# Allegro board LAY-95869_A.brd (continued)
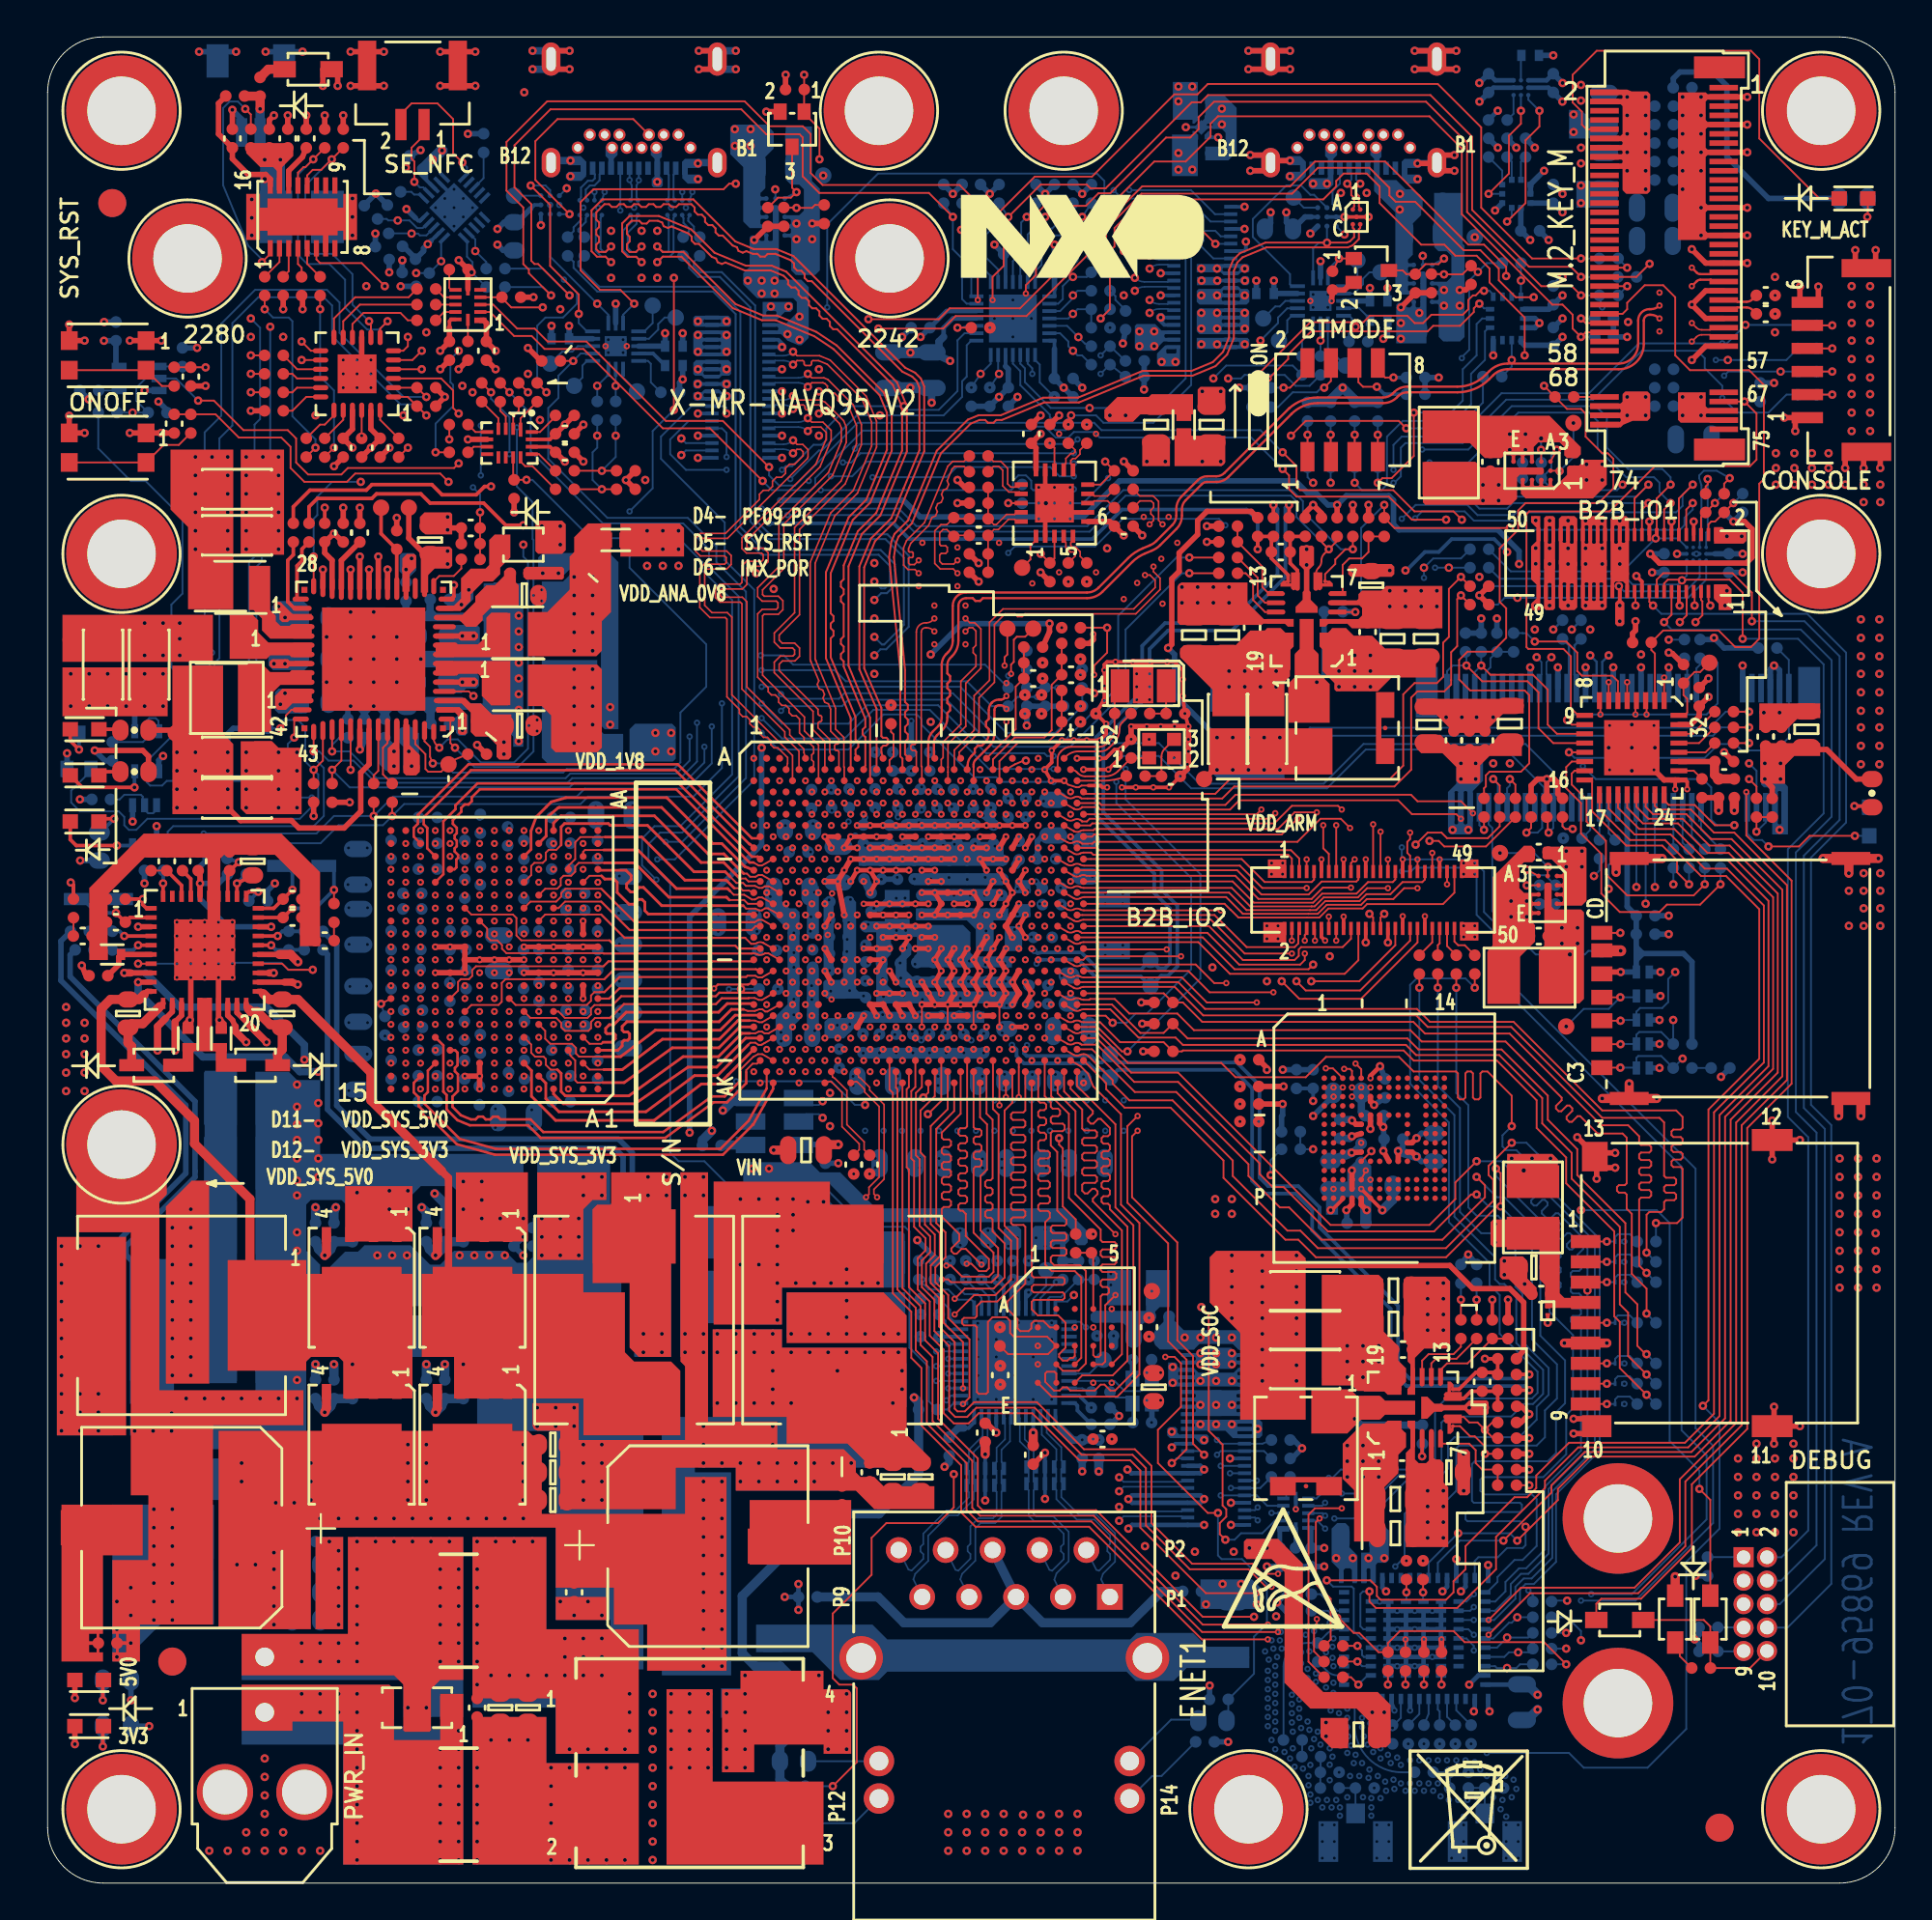
[diagram p0: board, top side]
## Placement (name value [footprint] x y rotation side) (continued)
R50  10K  [RC0402_25]  58.25 76.5 180 top
R51  0 OHM  [RC0402_25]  50.4 76.45 180 top
R52  243  [RC0402_25]  50.4 75.6 0 top
R53  10K  [RC0402_25]  25.25 75.5 90 top
R54  0 OHM  [RC0402_25]  28 75.5 180 top
R55  0 OHM  [RC0402_25]  58.25 75.5 0 top
R56  63.4  [RC0402_25]  50.4 74.75 180 top
R57  0 OHM  [RC0402_25]  58.25 74.5 0 top
R58  5.1K  [RC0402_25]  63.9 73.5 180 top
R59  1.0K  [RC0402_25]  68.07 73.46 90 top
R60  100  [RC0402_25]  49.05 73.45 270 top
R61  1.0K  [RC0402_25]  65.5 73.45 90 top
R62  0 OHM  [RC0402_25]  66.35 73.45 90 top
R63  0 OHM  [RC0402_25]  67.2 73.45 90 top
R64  100k  [RC0402_25]  68.95 73.45 90 top
R65  10K  [RC0402_25]  69.8 73.45 270 top
R66  10K  [RC0402_25]  70.65 73.45 270 top
R67  5.1K  [RC0402_25]  71.5 73.45 90 top
R68  0 OHM  [RC0402_25]  72.35 73.45 270 top
R69  0 OHM  [RC0402_25]  13.3 73.15 270 top
R70  0 OHM  [RC0402_25]  14.15 73.15 270 top
R71  100k  [RC0402_25]  15 73.15 90 top
R72  100k  [RC0402_25]  18.9 72.75 270 top
R73  0 OHM  [RC0402_25]  63.9 72.65 0 top
R74  1.0K  [RC0402_25]  22.9 72.55 180 top
R75  63.4  [RC0402_25]  50.4 72 180 top
R76  0 OHM  [RC0402_25]  63.9 71.8 0 top
R77  0 OHM  [RC0402_25]  22.9 71.7 180 top
R78  243  [RC0402_25]  50.4 71 0 top
R79  10K  [RC0402_25]  54.25 71 90 top
R80  0 OHM  [RC0402_25]  55.25 71 270 top
R81  0 OHM  [RC0402_25]  56.25 71 270 top
R82  0 OHM  [RC0402_25]  25.55 70.95 0 top
R83  0 OHM  [RC0402_25]  63.9 70.95 0 top
R84  100k  [RC0402_25]  55.4 68 180 top
R85  3K  [RC0402_25]  55.4 67.15 180 top
R86  63.4K  [RC0402_25]  53.35 66.95 180 top
R87  10K  [RC0402_25]  86.3 67.2 0 top
R88  1K  [RC0402_25]  55.4 66.3 0 top
R89  1K  [RC0402_25]  53.35 66.1 0 top
R90  10K  [RC0402_25]  88.55 65.5 270 top
R91  1K  [RC0402_25]  55.4 64.6 180 top
R92  100k  [RC0402_25]  52.9 63.85 90 top
R93  100k  [RC0402_25]  53.8 63.85 90 top
R94  1K  [RC0402_25]  55.4 63.75 0 top
R95  0 OHM  [RC0402_25]  90.75 63.45 180 top
R96  0 OHM  [RC0402_25]  59.15 63.35 0 top
R97  200  [RC0402_25]  45.65 63.3 90 top
R98  0 OHM  [RC0402_25]  90.75 62.6 180 top
R99  0 OHM  [RC0402_25]  90.75 61.75 180 top
R100  10K  [RC0402_25]  23.25 61.15 180 top
R101  0 OHM  [RC0402_25]  58.9 59.96 0 top
R102  0 OHM  [RC0402_25]  89.55 59.3 90 top
R103  0 OHM  [RC0402_25]  90.45 59.3 90 top
R104  0 OHM  [RC0402_25]  91.3 59.3 90 top
R105  2.2K  [RC0402_25]  31.3 75.5 180 top
R106  390  [RC0603_OV]  98.75 59.04 270 top
R107  10K  [RC0402_25]  14.4 59.05 90 top
R108  10K  [RC0402_25]  15.4 59.05 90 top
R109  0 OHM  [RC0402_25]  17.65 59.05 90 top
R110  0 OHM  [RC0402_25]  18.65 59.05 90 top
R111  2.2K  [RC0402_25]  76.5 33 270 bottom
R112  2.2K  [RC0402_25]  77.5 69.25 180 top
R113  0 OHM  [RC0402_25]  77.75 58.25 90 top
R114  0 OHM  [RC0402_25]  78.6 58.25 270 top
R115  0 OHM  [RC0402_25]  79.45 58.25 270 top
R116  10K  [RC0402_25]  80.3 58.25 270 top
R117  10K  [RC0402_25]  81.15 58.25 270 top
R118  10K  [RC0402_25]  82 58.25 270 top
R119  0 OHM  [RC0402_25]  92.5 58.25 270 top
R120  10K  [RC0402_25]  93.35 58.25 270 top
R121  2.2K  [RC0402_25]  31.3 76.5 180 top
R122  2.2K  [RC0402_25]  77.35 33 270 bottom
R123  2.2K  [RC0402_25]  77.5 70.25 180 top
R124  0 OHM  [RC0402_25]  5.6 55.35 90 top
R125  14.7K  [RC0402_25]  7.3 55.35 90 top
R126  0 OHM  [RC0402_25]  9.85 55.35 90 top
R127  23.7K  [RC0402_25]  1.4 52.8 270 top
R128  15.4K  [RC0402_25]  15.5 52.55 270 top
R129  0 OHM  [RC0402_25]  74.25 49.75 270 top
R130  0 OHM  [RC0402_25]  75.25 49.75 270 top
R131  0 OHM  [RC0402_25]  76.25 49.75 270 top
R132  0 OHM  [RC0402_25]  77.25 49.75 270 top
R133  2.2K  [RC0402_25]  58.85 82.45 180 bottom
R134  1  [RC0402_25]  2.75 49.15 180 top
R135  2.2K  [RC0402_25]  58.85 81.6 180 bottom
R136  1.5K  [RC0402_25]  66.75 23 180 bottom
R137  2.2K  [RC0402_25]  57 88.2 0 bottom
R138  1.5K  [RC0402_25]  66.75 24 180 bottom
R139  2.2K  [RC0402_25]  58.35 84.65 90 bottom
R140  10K  [RC0402_25]  56.5 34.65 270 top
R141  0 OHM  [RC0402_25]  55.65 34.65 270 top
R142  10K  [RC0402_25]  51.55 29.6 270 top
R143  0 OHM  [RC0402_25]  76.5 30 270 top
R144  0 OHM  [RC0402_25]  77.35 30 270 top
R145  0 OHM  [RC0402_25]  78.2 30 270 top
R146  5.1K  [RC0402_25]  79.05 30 90 top
R147  1.0K  [RC0402_25]  79 28.4 0 top
R148  0 OHM  [RC0402_25]  79 27.55 0 top
R149  0 OHM  [RC0402_25]  79 26.7 0 top
R150  1.0K  [RC0402_25]  79.01 25.83 0 top
R151  100k  [RC0402_25]  79 24.95 0 top
R152  10K  [RC0402_25]  79 24.1 180 top
R153  10K  [RC0402_25]  79 23.25 180 top
R154  5.1K  [RC0402_25]  79 22.4 0 top
R155  1  [RC0402_25]  43 21 90 top
R156  0 OHM  [RC0402_25]  79 21.55 180 top
R157  100  [RC0402_25]  89.85 17.15 90 bottom
R158  0 OHM  [RC0402_25]  73.55 16.95 270 top
R159  0 OHM  [RC0402_25]  74.45 16.95 270 top
R160  0 OHM  [RC0402_25]  89.9 13.85 0 bottom
R161  0 OHM  [RC0402_25]  89.9 12.55 0 bottom
R162  0 OHM  [RC0402_25]  69.6 12.85 0 top
R163  1  [RC0402_25]  3.25 13 0 top
R164  0 OHM  [RC0402_25]  69.6 12 0 top
R165  0 OHM  [RC0402_25]  72.55 12 270 top
R166  0 OHM  [RC0402_25]  73.5 12 270 top
R167  10K  [RC0402_25]  74.5 12 270 top
R168  10K  [RC0402_25]  75.45 12 270 top
R169  0 OHM  [RC0402_25]  69.6 11.15 0 top
R170  10K  [RC0402_25]  89.5 11.65 0 top
R171  10K  [RC0402_25]  78.5 95.5 180 bottom
R172  3.3K  [RC0402_25]  23.6 94.25 270 bottom
R173  10K  [RC0402_25]  80 94 90 bottom
R174  10K  [RC0402_25]  79 94 270 bottom
R175  10K  [RC0402_25]  78 94 90 bottom
R176  2.2K  [RC0402_25]  56.5 91.5 270 bottom
R177  2.2K  [RC0402_25]  55.5 91.5 270 bottom
R178  2.2K  [RC0402_25]  54.5 91.5 270 bottom
R179  2.2K  [RC0402_25]  53.5 91.5 270 bottom
R180  2.2K  [RC0402_25]  51.5 91.5 270 bottom
R181  2.2K  [RC0402_25]  50.5 91.5 270 bottom
R182  2.2K  [RC0402_25]  49.5 91.5 270 bottom
R183  2.2K  [RC0402_25]  48.5 91.5 270 bottom
R184  390  [RC0603_OV]  97.75 91.25 0 bottom
R185  3.3K  [RC0402_25]  18.75 91.25 45 bottom
R186  3.3K  [RC0402_25]  17.5 90.5 315 bottom
R187  3.3K  [RC0402_25]  18.1 89 45 bottom
R188  0 OHM  [RC0402_25]  84.5 88 180 bottom
R189  0 OHM  [RC0402_25]  79.25 87.75 0 bottom
R190  0 OHM  [RC0402_25]  24.25 87.45 180 bottom
R191  0 OHM  [RC0402_25]  57 87.25 180 bottom
R192  0 OHM  [RC0402_25]  85.5 87 180 bottom
R193  3.3K  [RC0402_25]  20.3 86.85 45 bottom
R194  0 OHM  [RC0402_25]  24.25 86.45 180 bottom
R195  0 OHM  [RC0402_25]  57 86.25 180 bottom
R196  0 OHM  [RC0402_25]  84.5 86 180 bottom
R197  0 OHM  [RC0402_25]  57 85.25 180 bottom
R198  10K  [RC0402_25]  84.25 84.75 180 bottom
R199  100  [RC0402_25]  95.25 84.38 0 bottom
R200  10K  [RC0402_25]  57 84.25 0 bottom
R201  10K  [RC0402_25]  84.25 83.75 180 bottom
R202  0 OHM  [RC0402_25]  57 83.25 180 bottom
R203  100  [RC0402_25]  95.25 83.12 0 bottom
R204  10K  [RC0402_25]  7.3 82.65 270 bottom
R205  0 OHM  [RC0402_25]  57 82.25 180 bottom
R206  10K  [RC0402_25]  70.95 83.5 180 bottom
R207  0 OHM  [RC0402_25]  68.9 82.2 270 bottom
R208  0 OHM  [RC0402_25]  67.9 82.2 270 bottom
R209  100  [RC0402_25]  95.25 81.88 0 bottom
R210  1.0K  [RC0402_25]  74.05 81.55 180 bottom
R211  0 OHM  [RC0402_25]  78.2 81.6 0 bottom
R212  0 OHM  [RC0402_25]  82.1 80.5 180 top
R213  1.0K  [RC0402_25]  65.7 81 0 bottom
R214  10K  [RC0402_25]  2.25 80.85 0 bottom
R215  10K  [RC0402_25]  92.7 80.75 270 bottom
R216  0 OHM  [RC0402_25]  33.7 80.75 0 bottom
R217  1.0K  [RC0402_25]  74.05 80.65 180 bottom
R218  100  [RC0402_25]  95.25 80.62 0 bottom
R219  10K  [RC0402_25]  55 80.5 180 bottom
R220  2.2K  [RC0402_25]  51 80.5 90 bottom
R221  2.2K  [RC0402_25]  50 80.5 90 bottom
R222  1.0K  [RC0402_25]  65.7 79.95 0 bottom
R223  100k  [RC0402_25]  72 79.7 90 bottom
R224  100k  [RC0402_25]  70.75 79.7 90 bottom
R225  100k  [RC0402_25]  69.45 79.7 90 bottom
R226  100k  [RC0402_25]  68.2 79.7 90 bottom
R227  0 OHM  [RC0402_25]  30.75 79.75 270 bottom
R228  0 OHM  [RC0402_25]  29.75 79.75 270 bottom
R229  10K  [RC0402_25]  5.95 79.65 180 bottom
R230  0 OHM  [RC0402_25]  3.25 79.65 0 bottom
R231  470K  [RC0402_25]  80.49 79.14 180 bottom
R232  4.7K  [RC0402_25]  68.2 77.2 270 bottom
R233  4.7K  [RC0402_25]  69.45 77.2 270 bottom
R234  4.7K  [RC0402_25]  70.75 77.2 270 bottom
R235  4.7K  [RC0402_25]  72 77.2 270 bottom
R236  1M  [RC0402_25]  80.34 76.94 0 bottom
R237  10K  [RC0402_25]  80.34 76.09 0 bottom
R238  10K  [RC0402_25]  52.75 75.25 270 bottom
R239  10K  [RC0402_25]  93.1 66.9 0 bottom
R240  0 OHM  [RC0402_25]  79.35 67.2 270 bottom
R241  10K  [RC0402_25]  78.45 67.2 270 bottom
R242  10K  [RC0402_25]  77.6 67.2 270 bottom
R243  10K  [RC0402_25]  76.75 67.2 270 bottom
R244  10K  [RC0402_25]  89.45 66.85 270 bottom
R245  0 OHM  [RC0402_25]  88.6 66.85 90 bottom
R246  100k  [RC0402_25]  56 65.25 90 bottom
R247  680  [RC0603_OV]  4.7 62.45 180 top
R248  0 OHM  [RC0402_25]  52.5 64.75 0 bottom
R249  100k  [RC0402_25]  54 64.25 90 bottom
R250  100k  [RC0402_25]  55.5 63.75 0 bottom
R251  100k  [RC0402_25]  52.5 63.75 180 bottom
R252  200  [RC0402_25]  48.15 58.75 90 bottom
R253  10K  [RC0402_25]  47.75 60.75 270 bottom
R254  10K  [RC0402_25]  46.75 60.75 270 bottom
R255  10K  [RC0402_25]  45.75 60.75 90 bottom
R256  10K  [RC0402_25]  44.79 60.75 270 bottom
R257  10K  [RC0402_25]  16.25 62.55 90 bottom
R258  10K  [RC0402_25]  11.4 62.55 0 bottom
R259  10K  [RC0402_25]  3.5 61.3 90 bottom
R260  680  [RC0603_OV]  4.7 60.2 180 top
R261  100k  [RC0402_25]  13 60.25 90 bottom
R262  200  [RC0402_25]  50.1 58.76 90 bottom
R263  200  [RC0402_25]  41.35 58.72 270 bottom
R264  10K  [RC0402_25]  2.9 58.7 0 bottom
R265  680  [RC0603_OV]  2.8 56.15 90 bottom
R266  0 OHM  [RC0402_25]  82.55 56.6 180 bottom
R267  0 OHM  [RC0402_25]  84.85 56 270 bottom
R268  0 OHM  [RC0402_25]  84 56 270 bottom
R269  0 OHM  [RC0402_25]  10.25 54.65 0 bottom
R270  0 OHM  [RC0402_25]  90.55 55.5 270 bottom
R271  0 OHM  [RC0402_25]  89.7 55.5 270 bottom
R272  0 OHM  [RC0402_25]  88.85 55.5 270 bottom
R273  0 OHM  [RC0402_25]  88 55.5 270 bottom
R274  100k  [RC0402_25]  11.4 53.2 180 bottom
R275  100k  [RC0402_25]  5.75 54.85 0 bottom
R276  470K  [RC0402_25]  79.2 54.4 270 bottom
R277  10K  [RC0402_25]  81.61 53.54 90 bottom
R278  1M  [RC0402_25]  80.76 53.54 90 bottom
R279  0 OHM  [RC0402_25]  9.2 55.5 0 bottom
R280  49.9  [RC0402_25]  14.4 51.55 180 bottom
R281  49.9  [RC0402_25]  1.75 51.55 0 bottom
R282  100  [RC0402_25]  84.1 50.95 270 bottom
R283  0 OHM  [RC0402_25]  14.4 50.55 180 bottom
R284  0 OHM  [RC0402_25]  2 50.55 0 bottom
R285  120  [RC0402_25]  38.95 50.52 180 bottom
R286  10K  [RC0402_25]  39.02 48.43 0 bottom
R287  240  [RC0402_25]  18.26 46.44 270 bottom
R288  10K  [RC0402_25]  60.4 47.7 0 top
R289  15K  [RC0402_25]  88.5 45.45 180 bottom
R290  10K  [RC0402_25]  60.4 46.55 0 top
R291  200  [RC0402_25]  42.85 44.67 270 bottom
R292  10K  [RC0402_25]  65.05 44.6 180 top
R293  10K  [RC0402_25]  60.4 45.05 0 top
R294  51Ohms  [RC0402_25]  90.55 44.15 0 bottom
R295  10K  [RC0402_25]  65.05 43.15 0 top
R296  10K  [RC0402_25]  67.3 40.7 0 bottom
R297  10K  [RC0402_25]  65.05 42.2 180 top
R298  0 OHM  [RC0402_25]  67.3 39.75 180 bottom
R299  0 OHM  [RC0402_25]  65.05 41.25 0 top
R300  10K  [RC0402_25]  35.95 39.95 0 bottom
R301  100k  [RC0402_25]  22.5 35.25 90 bottom
R302  0 OHM  [RC0402_25]  20.5 35.25 90 bottom
R303  0 OHM  [RC0402_25]  21.5 35.25 90 bottom
R304  0 OHM  [RC0402_25]  86.55 34.75 180 bottom
R305  100k  [RC0402_25]  16.5 35.25 90 bottom
R306  0 OHM  [RC0402_25]  15.5 35.25 270 bottom
R307  0 OHM  [RC0402_25]  14.5 35.25 270 bottom
R308  0.003  [RC6432]  31.5 33.5 0 bottom
R309  0 OHM  [RC0402_25]  55.45 34.95 180 bottom
R310  0 OHM  [RC0402_25]  86.55 33.65 180 bottom
R311  0 OHM  [RC0402_25]  86.55 32.55 180 bottom
R312  4.7K  [RC0402_25]  50.55 33.2 90 bottom
R313  4.7K  [RC0402_25]  49.7 33.2 90 bottom
R314  4.7K  [RC0402_25]  48.85 33.2 90 bottom
R315  4.7K  [RC0402_25]  48 33.2 270 bottom
R316  4.7K  [RC0402_25]  47.15 33.2 90 bottom
R317  4.7K  [RC0402_25]  56.65 33.2 90 bottom
R318  4.7K  [RC0402_25]  55.8 33.2 270 bottom
R319  4.7K  [RC0402_25]  54.95 33.2 270 bottom
R320  0.003  [RC6432]  4 30.5 0 bottom
R321  0 OHM  [RC0402_25]  86.55 30.35 180 bottom
R322  4.7K  [RC0402_25]  47.75 31.65 180 bottom
R323  4.7K  [RC0402_25]  47.75 30.8 180 bottom
R324  0 OHM  [RC0402_25]  57.7 30.15 270 bottom
R325  0 OHM  [RC0402_25]  56.8 30.15 270 bottom
R326  0 OHM  [RC0402_25]  86.55 28.15 180 bottom
R327  0 OHM  [RC0402_25]  86.55 27.05 180 bottom
R328  0 OHM  [RC0402_25]  20.5 26.75 90 bottom
R329  0 OHM  [RC0402_25]  21.5 26.75 90 bottom
R330  100k  [RC0402_25]  22.5 26.75 90 bottom
R331  100k  [RC0402_25]  16.5 26.75 90 bottom
R332  0 OHM  [RC0402_25]  15.5 26.75 270 bottom
R333  0 OHM  [RC0402_25]  14.5 26.75 270 bottom
R334  0 OHM  [RC0402_25]  86.55 25.95 180 bottom
R335  0 OHM  [RC0402_25]  57 26.6 180 bottom
R336  4.7K  [RC0402_25]  47.65 25.65 0 bottom
R337  2.49K  [RC0402_25]  57 24.85 0 bottom
R338  0 OHM  [RC0402_25]  56.9 23.5 90 bottom
R339  0 OHM  [RC0402_25]  80.9 15.25 180 bottom
R340  10K  [RC0402_25]  67.9 15.65 0 bottom
R341  0 OHM  [RC0402_25]  80.9 14.4 180 bottom
R342  10K  [RC0402_25]  67.9 14.75 0 bottom
R343  0 OHM  [RC0402_25]  80.9 13.55 180 bottom
R344  1.0M  [RC1206_OV]  64.15 13.75 90 bottom
R345  0 OHM  [RC0402_25]  80.9 12.7 180 bottom
R346  0 OHM  [RC0402_25]  80.9 11.85 180 bottom
R347  2.7K  [RC0603_OV]  3.75 11 180 bottom
R348  4.7K  [RC0402_25]  63.4 9.95 180 bottom
R349  510  [RC0603_OV]  63.05 8.8 180 bottom
R350  390  [RC0603_OV]  3.75 8.5 180 bottom
R351  0 OHM  [RC0402_25]  62.65 7.65 180 bottom
R352  0 OHM  [RC0402_25]  77.05 8.05 90 bottom
R353  0 OHM  [RC0402_25]  76.2 8.05 90 bottom
R354  0 OHM  [RC0402_25]  75.35 8.05 90 bottom
R355  0 OHM  [RC0402_25]  74.5 8.05 90 bottom
R356  0 OHM  [RC0402_25]  73.65 8.05 90 bottom
R357  10K  [RC0402_25]  72.8 8.05 90 bottom
R358  0 OHM  [RC0402_25]  68.4 6.85 0 bottom
R359  510  [RC0603_OV]  40.4 6.6 0 bottom
R360  0 OHM  [RC0402_25]  74.5 6.01 0 bottom
R361  0 OHM  [RC0402_25]  76.4 6 0 bottom
R362  0 OHM  [RC0402_25]  69.4 6 0 bottom
R363  0 OHM  [RC0402_25]  76.4 5.15 0 bottom
R364  0 OHM  [RC0402_25]  78.3 5.15 0 bottom
R365  0 OHM  [RC0402_25]  71.3 5.15 0 bottom
R366  0 OHM  [RC0402_25]  69.4 5.15 0 bottom
R367  4.7K  [RC0402_25]  40.5 5.25 0 bottom
R368  10K  [RC0402_25]  67.55 17.65 270 bottom
R369  0 OHM  [RC0402_25]  66.75 22 0 bottom
R370  0 OHM  [RC0402_25]  41 3.75 270 bottom
R371  10K  [RC0402_25]  27.25 82.45 0 top
R372  0 OHM  [RC0402_25]  89.75 74.75 90 top
R373  0 OHM  [RC0402_25]  90.75 74.75 90 top
R374  0 OHM  [RC0402_25]  77.5 72.25 0 bottom
R375  0 OHM  [RC0402_25]  77.5 69.25 180 bottom
R376  0 OHM  [RC0402_25]  77.5 70.25 180 bottom
R377  0 OHM  [RC0402_25]  77.5 71.25 180 bottom
R378  2.2K  [RC0402_25]  90.75 74.75 90 bottom
R379  2.2K  [RC0402_25]  91.75 74.75 90 bottom
SW1  TL6330AF200Q  [SW4_SPST_4P6X2P8_SM]  3.25 82.75 180 top
SW2  CHS-04TA  [SW_CHS_04_A]  70.1 79.8 90 top
SW3  TL6330AF200Q  [SW4_SPST_4P6X2P8_SM]  3.25 77.75 180 top
T1  ACM12V-701-2PL-TL00  [IND_ACM12V]  34.75 6.5 0 top
TP1  TP_35MIL  [TESTPOINT_35MIL]  82.59 79.09 180 top
TP2  TP_35MIL  [TESTPOINT_35MIL]  7.3 74.5 180 top
TP3  TP_35MIL  [TESTPOINT_35MIL]  18.05 74.5 0 top
TP4  TP_35MIL  [TESTPOINT_35MIL]  19.55 74.5 180 top
TP5  TP_35MIL  [TESTPOINT_35MIL]  52.75 71.25 90 top
TP6  TP_35MIL  [TESTPOINT_35MIL]  29 71.5 180 top
TP7  TP_35MIL  [TESTPOINT_35MIL]  23.05 68.55 180 top
TP8  TP_35MIL  [TESTPOINT_35MIL]  51.95 67.95 90 top
TP9  TP_35MIL  [TESTPOINT_35MIL]  53.35 67.95 90 top
TP10  TP_35MIL  [TESTPOINT_35MIL]  1.25 67.35 180 top
TP11  TP_35MIL  [TESTPOINT_35MIL]  89.95 66.1 0 top
TP12  TP_35MIL  [TESTPOINT_35MIL]  23.35 62.95 180 top
TP13  TP_35MIL  [TESTPOINT_35MIL]  27.75 62.25 180 top
TP14  TP_35MIL  [TESTPOINT_35MIL]  6.93 62.28 180 top
TP15  TP_35MIL  [TESTPOINT_35MIL]  19.7 60.45 180 top
TP16  TP_35MIL  [TESTPOINT_35MIL]  21.7 60.6 0 top
TP17  TP_35MIL  [TESTPOINT_35MIL]  62.6 59.8 90 top
TP18  TP_35MIL  [TESTPOINT_35MIL]  78.61 55.79 270 top
TP19  TP_35MIL  [TESTPOINT_35MIL]  82.2 46.4 0 top
TP20  TP_35MIL  [TESTPOINT_35MIL]  38.5 37.5 0 top
TP21  TP_35MIL  [TESTPOINT_35MIL]  8 37.55 0 top
TP22  TP_35MIL  [TESTPOINT_35MIL]  27.05 37.95 0 top
TP23  TP_35MIL  [TESTPOINT_35MIL]  63.4 32.75 0 top
TP24  TP_35MIL  [TESTPOINT_35MIL]  59.77 32.06 0 top
TP25  TP_35MIL  [TESTPOINT_35MIL]  41.99 92.49 270 bottom
TP26  TP_35MIL  [TESTPOINT_35MIL]  25.25 91.4 90 bottom
TP27  TP_35MIL  [TESTPOINT_35MIL]  67.45 91.3 0 bottom
TP28  TP_35MIL  [TESTPOINT_35MIL]  77.25 89.15 270 bottom
TP29  TP_35MIL  [TESTPOINT_35MIL]  70.9 87.9 90 bottom
TP30  TP_35MIL  [TESTPOINT_35MIL]  72.15 87.25 90 bottom
TP31  TP_35MIL  [TESTPOINT_35MIL]  32.75 85.45 90 bottom
TP32  TP_35MIL  [TESTPOINT_35MIL]  34 84.8 90 bottom
TP33  TP_35MIL  [TESTPOINT_35MIL]  65.8 84.75 90 bottom
TP34  TP_35MIL  [TESTPOINT_35MIL]  66.65 83.55 90 bottom
TP35  TP_35MIL  [TESTPOINT_35MIL]  70.25 82.2 90 bottom
TP36  TP_35MIL  [TESTPOINT_35MIL]  27.2 82.3 90 bottom
TP37  TP_35MIL  [TESTPOINT_35MIL]  28.5 81.1 90 bottom
TP38  TP_35MIL  [TESTPOINT_35MIL]  31.9 80.8 90 bottom
TP39  TP_35MIL  [TESTPOINT_35MIL]  59.7 50 180 bottom
TP40  TP_35MIL  [TESTPOINT_35MIL]  59.7 48.58 180 bottom
TP41  TP_35MIL  [TESTPOINT_35MIL]  57.52 44.9 180 bottom
TP42  TP_35MIL  [TESTPOINT_35MIL]  57.52 43.64 180 bottom
TP43  TP_35MIL  [TESTPOINT_35MIL]  54.05 33.2 90 bottom
TP44  TP_35MIL  [TESTPOINT_35MIL]  57.15 28.35 90 bottom
U1  PCF2131TFY  [SO16_0P5_3P5X4P5_MM]  13.8 90.25 90 top
U2  PCMF1USB3S  [WLCSP5_0P4_0P82X1P22]  70.85 90.25 0 top
U3  74AVC4T3144GU12-QX  [XQFN12_0P4_1P8X2P1]  22.75 85.5 180 top
U4  PCAL6416AHF  [QFN24_4X4_EP2P1MM]  16.75 81.75 90 top
U5  PCAL6408AHK  [PQFN16_0P4_2P65X1P85]  25 78 180 top
U6  NX20P5090UK  [WLCSP15_0P5_1P57X2P59]  80.35 76.5 270 top
U7  9DBL0455NLGI8  [VFQFPN20P_0P5_SQ4P1]  54.5 74.75 90 top
U8  PPF5301AMMABES  [PQFN24_0P5_3P5X4P5MM]  68.15 68.35 180 top
U9  PPF0900AMBA1ES  [PQFN56_0P5_8X8MM]  17.65 66.3 180 top
U10  PCAL6524HEAZ  [UQFN32_0P5_5X5_EP3X3]  85.75 61.5 270 top
U11  NX20P5090UK  [WLCSP15_0P5_1P57X2P59]  81.2 53.55 0 top
U12  MIMX9596AVZXNMC_Rev3.0  [PBGA716_0P7_19X19MM]  47.15 52.13 0 top
U13  LM5143QRHARQ1  [VQFN40P_0P5_SQ6P1_EP3P3]  8.5 50.55 0 top
U14  MT62F4G32D8DV-023 FAAT:C  [BGA315_0P7_12P5X15P1MM]  24.18 50.01 180 top
U15  MTFC64GBCAQTC-AAT  [FBGA153_0P5_11P5X13_C012]  72.36 40.35 0 top
U16  MX25UM51345GXDI00  [PBGA24_1_6X8MM]  55.6 29.1 0 top
U17  PPF5302AMMAAES  [PQFN24_0P5_3P5X4P5MM]  73.9 25.75 90 top
U18  BMM350  [WLCSP9_0P4_1P28SQ]  79.75 97.25 0 bottom
U19  LP5907SNX-1.8/NOPB  [XSON4_0P65_SQ1P05MM_A]  62.45 95.1 270 bottom
U20  BMP581  [LGA10_0P5_2X2]  79.5 91.5 0 bottom
U21  NX20P0477  [WLCSP9_0P5_1P49X1P49MM]  27.2 90.9 0 bottom
U22  PCMF2USB3BA/C  [WLCSP10_0P4_1P2X1P6MM_SMDP]  34.15 90.75 90 bottom
U23  PCMF1USB3S  [WLCSP5_0P4_0P82X1P22]  31.75 90.75 180 bottom
U24  PCMF2USB3BA/C  [WLCSP10_0P4_1P2X1P6MM_SMDP]  29.4 90.75 90 bottom
U25  SE051C2HQ1/Z01XD  [QFN20_0P4_3X3_TAB_1P9]  22 90.75 225 bottom
U26  NX20P0477  [WLCSP9_0P5_1P49X1P49MM]  69.25 90.25 0 bottom
U27  NX20P5090UK  [WLCSP15_0P5_1P57X2P59]  39.4 90.25 180 bottom
U28  NX20P5090UK  [WLCSP15_0P5_1P57X2P59]  74.45 86.65 180 bottom
U29  PTN5110  [HX2QFN16_0P4_2P7X2P7]  68.9 85.7 180 bottom
U30  ICM-45686  [LGA14_0P5_3X2P5]  79 84.75 270 bottom
U31  P3H2840HN  [QFN28_0P4_4X4_EP2P6]  52.25 84.75 180 bottom
U32  PTN5110  [HX2QFN16_0P4_2P7X2P7]  30.75 83.25 180 bottom
U33  74AUP1G08GW-Q100  [SC70-5]  4.95 81.5 270 bottom
U34  P3A1604UK  [WLCSP12_0P35_1P05X1P40]  89.25 72 90 bottom
U35  RTL8211FS(I)(-VS)-CG  [QFN_48_0P4_6X6MM]  52.35 28.2 90 bottom
U36  LBES5PL2EL-923  [MODULE107_9P0X7P9MM]  74 13.25 180 bottom
U37  74AVC4T3144GU12-QX  [XQFN12_0P4_1P8X2P1]  67.56 20.04 0 bottom
Y1  32.768kHz  [XTL2_3P2X1P5]  59.3 64.85 0 top
Y2  24 MHz  [XTL4_2P1X1P7MM_SM]  60.3 61.45 0 top
Y3  156.25MHz  [OSC6_1P27_5P2X3P4]  39.35 41.25 0 bottom
Y4  25 MHz  [XTAL4_2P1X1P7MM_SM]  59.25 26.65 270 bottom

## Library data of the parts
BH1-BH14 = MOUNT_HOLE
C1-C3 C6-C19 C22-C25 C29 C30 C32-C37 C40-C47 C49-C57 C59 C60 C62-C78 C81-C103 C105 C107-C112 C114-C142 C147-C171 C173-C175 C178 C180 C181 C183 C184 C187-C257 C259-C432 = CAP_NP
C4 C5 C176 C177 = CAP_NP: signal model: CAP_NP_CC0402_25_DISCRETE_0.55MM_150-79207_0.22UF_0.22uF
C20 C26 C28 C31 C38 C39 C48 C58 C61 C172 C179 C182 C185 C186 C258 = CAP_NP: tolerance: 10%
C21 C27 C79 C80 C143-C146 = CAP_NP: signal model: CAP_NP_CC0402_25_DISCRETE_0.65MM_150-81751_0.1UF_0.1uF
C104 C106 = CAP_POL
C113 = CAP_FILTER_4P
D1 D3 D7 D8 D10 D13 D14 D16 D17 = DIODE_SCHTKY
D2 D4-D6 D11 D12 D15 = LED
D9 D18-D29 = DIODE_BIDIR
D30 D31 = DIODE_ESD_4CH_10P_A
J1 = CON_PCIE_67P_KEY-M
J2 = CONN_1x6_SHLD
J3 J4 J17 = CONN_RCPT_2X25
J5 = CONN_NANOSIMCARD_PUSH_6P
J6 = CONN_MICRO_SDCARD
J7 = CONN_HDR_5X2
J8 = CON_RJ45_ARJM11C7-502
J9-J11 = CONN_2X1_SH
J12 J13 = USB24_TYPEC_SH4
J14 J15 = CONN_2X20_LSHM
J16 = CON_PCIE_67P_KEY-B
J18 J19 = UFL
L1 = BLM18R
L2-L6 L10-L12 L17 = INDUCTOR
L7 L13 = IND_3P
L8 L9 = BEAD_0
L14 L15 = IND_FERRITE
L16 = INDUCTOR_FERRITE
Q1 Q2 Q7 = NMOS_NX3008NBK
Q3-Q6 = MOSFET_NCH_5P_SMALL
Q8 Q9 = TRAN_DUAL_NMOS_BSS138
R1-R40 R43-R47 R49 R50 R52-R54 R56 R58-R68 R71-R79 R82-R298 R300-R303 R305-R309 R312-R320 R322-R325 R328-R333 R335-R379 = RES
R41 R42 R48 R51 R55 R57 R69 R70 R80 R81 R299 R304 R310 R311 R321 R326 R327 R334 = RES: signal model: RES_RC0402_25_DISCRETE_0.37MM_470-10144_0_OHM_0_OHM
SW1 SW3 = SW_PB_ESW
SW2 = CHS-04TA_SW
T1 = TRANSFORMER
TP1-TP44 = T POINT R: Tolerance: TOLERANCE; User Part Number: 510-75618
U1 = PCF2131_A
U2 U23 = PESD1USB30_5P_A
U3 U37 = 74AVC4T3144_12P
U4 = PCAL6416AHF_QFN24
U5 = PCAL6408AHK_A
U6 U11 U27 U28 = NX20P5090UK_15P_A
U7 = 9DBL0455NLGI8
U8 U17 = IC_PMIC_QFN
U9 = PPF0900AMBA0ES_56P
U10 = PCAL6524HE_QFN_32P
U12 = MIMX9596AVZXNMC_716BGA
U13 = LM5143QRHARQ1_40P
U14 = MT62F1G32D4
U15 = MTFC64GBCAQTC-AAT_VFBGA_153P
U16 = MX25UM51345GXD
U18 = BMM350_9P
U19 = TLV733P_X2SON4
U20 = BMP390_10P
U21 U26 = NX20P0477_WLCSP9_A
U22 U24 = PCMF2USB3BAC_10P
U25 = SE050TBD_HX2QFN20
U29 U32 = PTN5110_QFN16
U30 = ICM-45686_LGA14
U31 = P3H2840_28P_EP
U33 = GATE_AND_SGL
U34 = P3A1604UK_WLCSP12P
U35 = RTL8211FSI-VS_QFN48P
U36 = LBES5PL2EL-923
Y1 = XTAL
Y2 Y4 = XTAL_13
Y3 = OSC_6P
